# Altium PCB ECG_Ctrl_V1.0_ZM_20211208.PcbDoc (part 1 of 2) (continued)
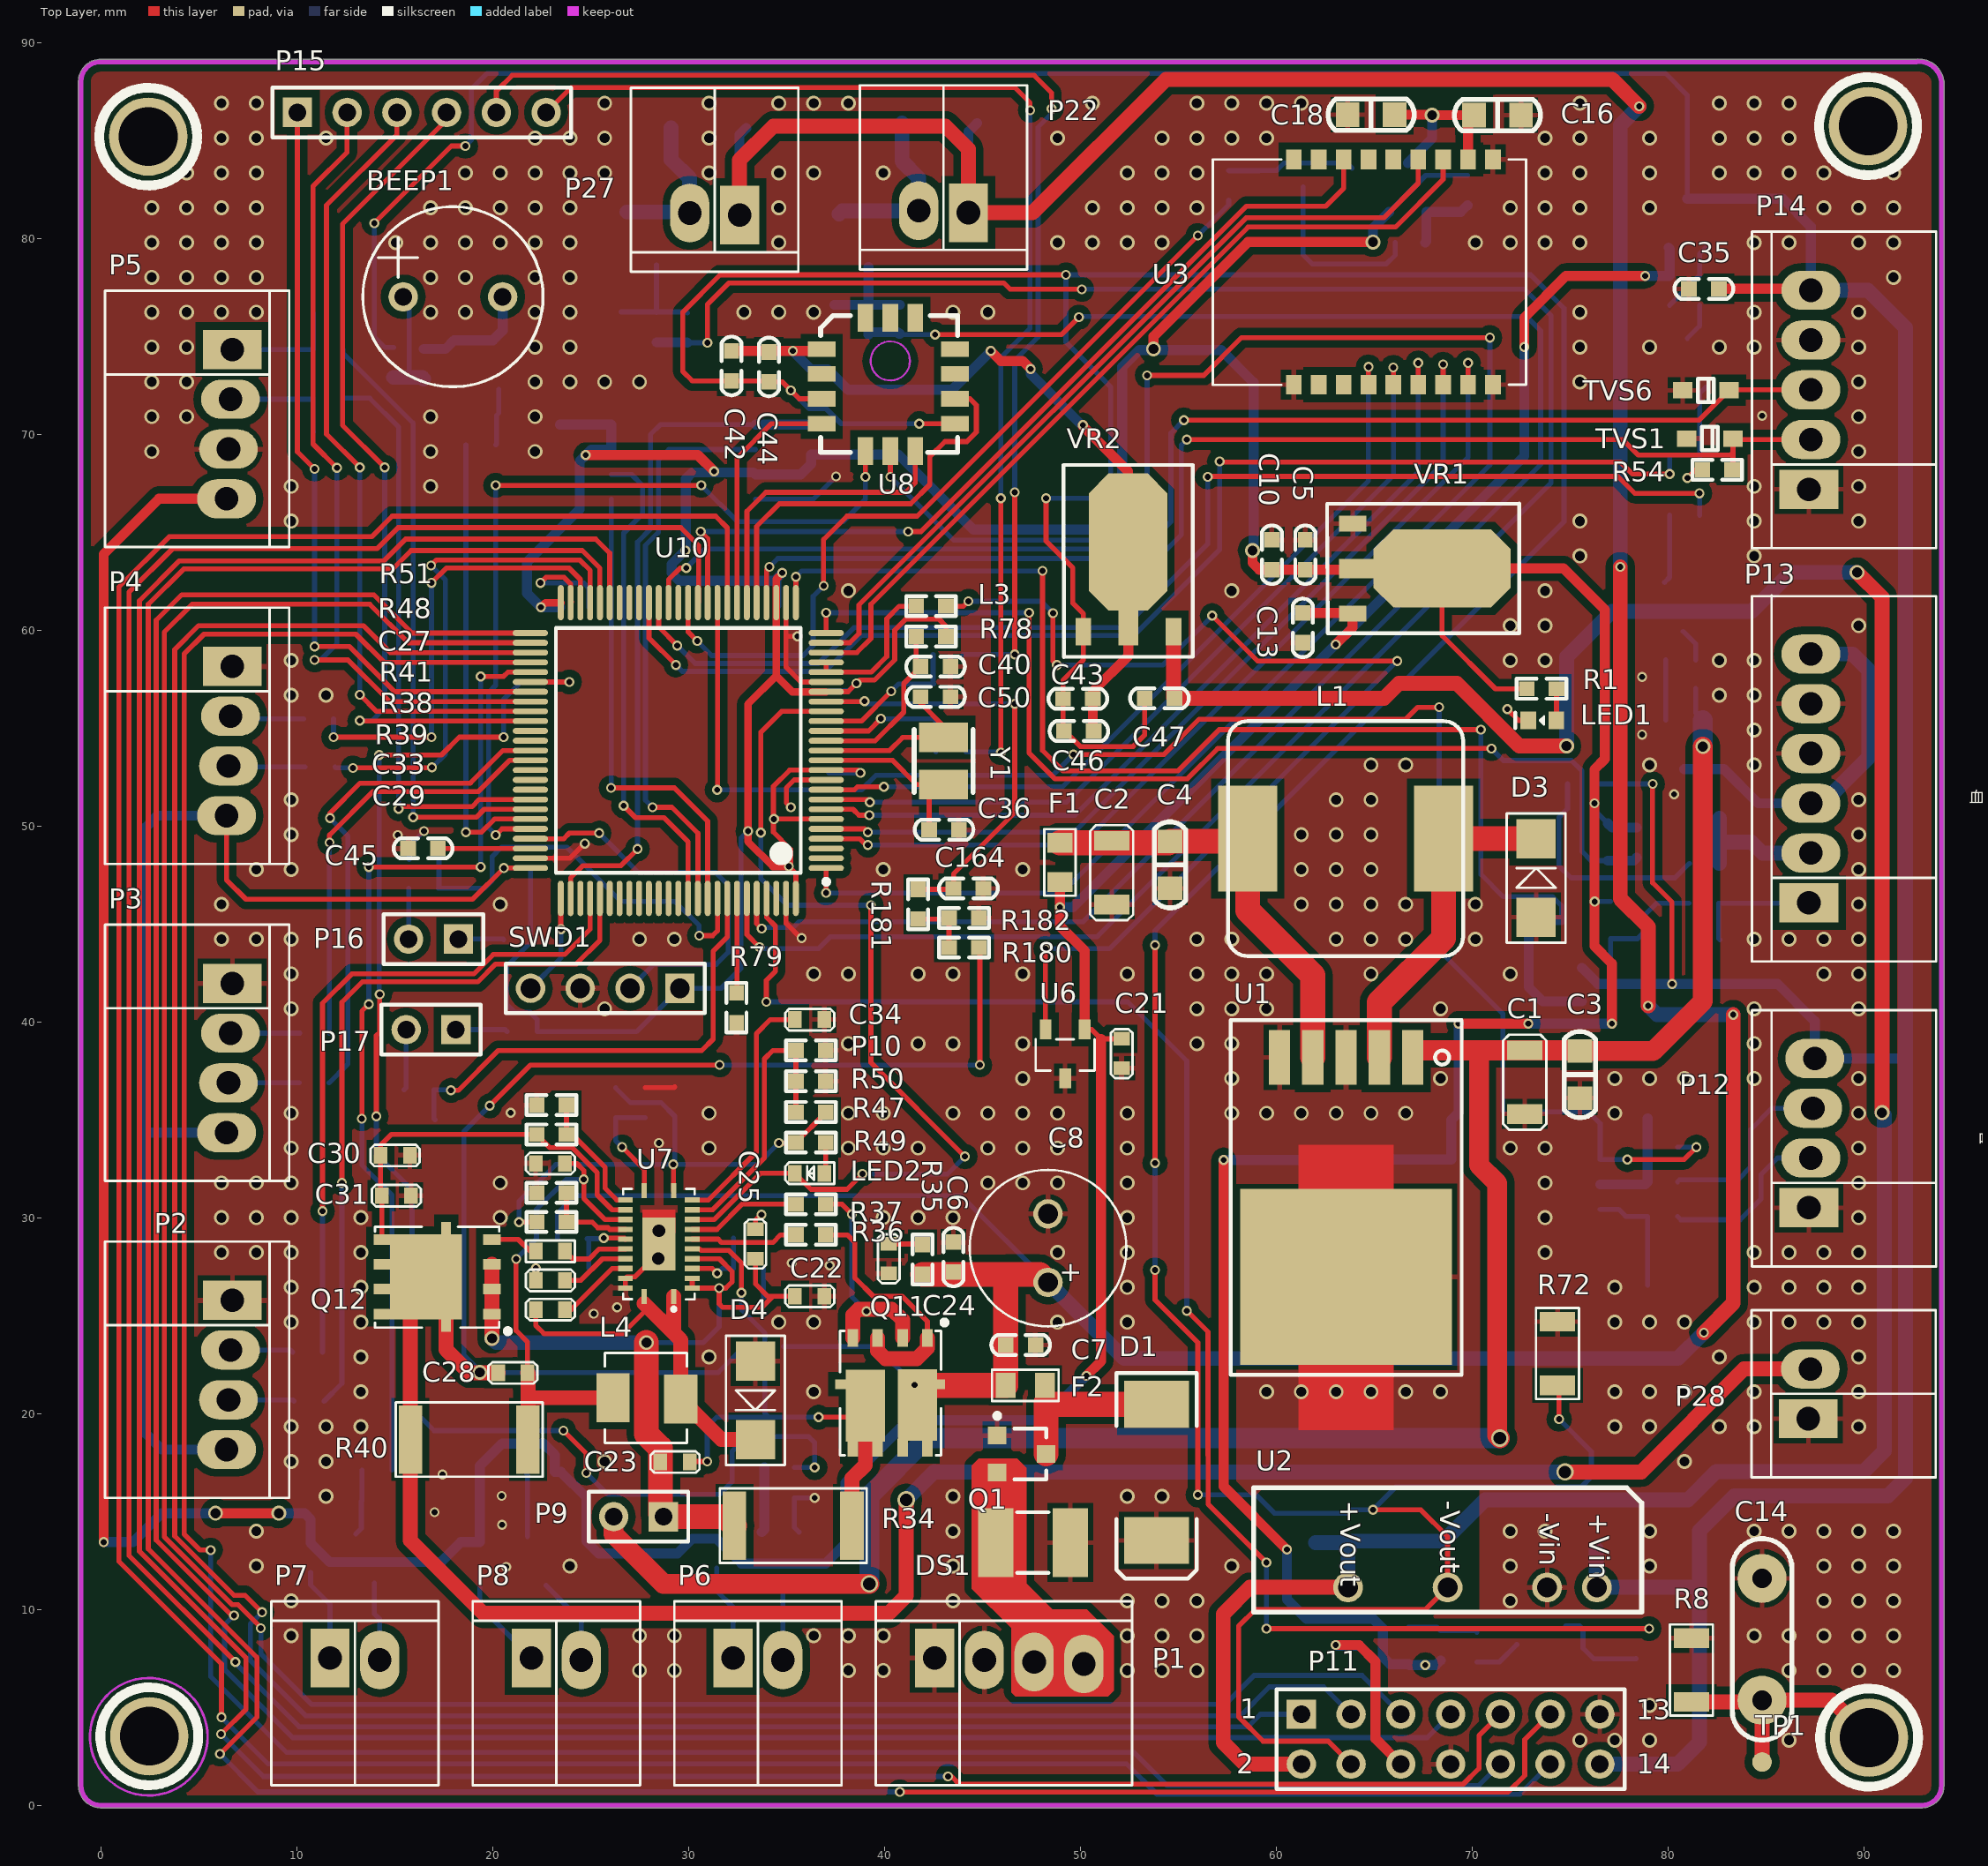
[diagram p0: Top Layer view]
## Components (designator, comment, footprint, x,y, rotation, side; value= is the part's Value field where it differs from the comment) (continued)
TVS3 "ESD5Z5.0CT1G" SOD-523 11.633,70.129 r180 bottom
TVS4 "ESD5Z5.0CT1G" SOD-523 11.633,76.149 r180 bottom
TVS5 "PSD03C-LF-T7" SOD-323 81.458,50.394 r0 bottom
TVS6 "PSD03C-LF-T7" SOD-323 81.94,72.238 r0 top
TVS7 "ESD5Z5.0CT1G" SOD-523 82.525,32.69 r270 bottom
TVS8 "ESD5Z5.0CT1G" SOD-523 82.55,29.134 r270 bottom
TVS41 "ESD5Z5.0CT1G" SOD-523 16.51,48.285 r180 bottom
TVS42 "ESD5Z5.0CT1G" SOD-523 16.307,35.001 r180 bottom
U1 "LM2596S 5.0V" TO-263-5 63.576,38.175 r180 top
U2 "B0505LS-1W" HKSXXXXB-1W 76.378,11.125 r180 top
U3 "E104-BT5010A" E104-BT503 56.769,72.523 r270 top
U5 "W25Q128FVSIG" SO-8W 33.436,70.485 r180 bottom
U6 "REF3033AIDBZR" SOT23-3 50.235,39.609 r90 top
U7 "bq24171" bq24171 28.499,28.651 r180 top
U8 "MMR901XA" MMR901XA 40.31,72.238 r270 top
U9 "OPA2376AID" SOIC-8 72.746,31.064 r180 bottom
U10 "GD32F405VGTx" STM-LQFP100_N 29.489,53.848 r180 top
VR1 "LM1117 3.3V" SOT223 63.908,65.433 r270 top
VR2 "LM1117 3.3V" SOT223 50.165,59.919 r0 top
Y1 "8MHz" XTAL-3225-2 43.028,53.315 r270 top

## Footprints (in the part's own frame and the unit in brackets; to place one, negate y for a bottom-side part, rotate by r counter-clockwise, add the part's x,y. Pads: shape width x height; smd on the part's side, far side on the other; paste and mask are expansions set on the pad)
2X2.54MMw [mm]
  rect 2x3 hole 1.2: 1(0,0)
  oval 2x3 hole 1.2: 2(2.54,-0.1)
  silkscreen extent -3,-6.5 5.54,2.9
2X2.54MMW [mm]
  rect 2x3 hole 1.2: 1(0,0)
  oval 2x3 hole 1.2: 2(2.54,-0.1)
  silkscreen extent -3,-6.5 5.54,2.9
4X2.54MMW [mm]
  rect 2x3 hole 1.2: 1(0,0)
  oval 2x3 hole 1.2: 2(2.54,-0.1) 3(5.08,-0.2) 4(7.62,-0.3)
  silkscreen extent -3,-6.5 10.08,2.9
4X2.54MMw [mm]
  rect 2x3 hole 1.2: 1(0,0)
  oval 2x3 hole 1.2: 2(2.54,-0.1) 3(5.08,-0.2) 4(7.62,-0.3)
  silkscreen extent -3,-6.5 10.08,2.9
5X2.54MMW [mm]
  rect 2x3 hole 1.2: 1(0,0)
  oval 2x3 hole 1.2: 2(2.54,-0.1) 3(5.08,-0.1) 4(7.62,-0.1) 5(10.16,-0.1)
  silkscreen extent -3,-6.5 13.16,2.9
6X2.54MMW [mm]
  rect 2x3 hole 1.2: 1(0,0)
  oval 2x3 hole 1.2: 2(2.54,-0.1) 3(5.08,-0.1) 4(7.62,-0.1) 5(10.16,-0.1) 6(12.7,-0.1)
  silkscreen extent -3,-6.5 15.68,2.9
8*12 [mm]
  round 1.5 hole 1: 1(1.75,0) 2(-1.75,0)
  silkscreen extent -4,-4 4,4
0603C [mm]
  rect 0.7x0.85 smd: 1(0,0) 2(1.5,0)
  silkscreen extent -0.5,-0.55 2,0.55
0603LED [mm]
  rect 0.7x0.85 smd: 1(0,0) 2(1.5,0)
  silkscreen extent -0.5,-0.55 2,0.55
0603r [mm]
  rect 0.7x0.85 smd: 1(0,0) 2(1.5,0)
  silkscreen extent -0.5,-0.55 2,0.55
0603R [mm]
  rect 0.7x0.85 smd: 1(0,0) 2(1.5,0)
  silkscreen extent -0.5,-0.55 2,0.55
0805r [mm]
  rect 1x1.3 smd: 1(0,0) 2(2,0)
  silkscreen extent -0.7,-0.8 2.7,0.8
0805R [mm]
  rect 1x1.3 smd: 1(0,0) 2(2,0)
  silkscreen extent -0.7,-0.8 2.7,0.8
1206C [mm]
  rect 1x1.8 smd: 1(0,0) 2(3.25,0)
  silkscreen extent -0.8,-1.1 4.05,1.1
1206r [mm]
  rect 1x1.8 smd: 1(0,0) 2(3.25,0)
  silkscreen extent -0.7,-1.1 3.95,1.1
2512R [mm]
  rect 1.2x3.5 smd: 1(0,0) 2(6,0)
  silkscreen extent -0.75,-1.9 6.75,1.9
BEEP-9.5X5.5 [mm]
  round 1.5 hole 0.9: 1(-2.54,0) 2(2.54,0)
  silkscreen extent -4.6,-4.6 4.6,4.6
bq24171 [mm]
  rect 0.28x0.75 smd: 1(-0.75,2.678) 12(-0.75,-2.729) 13(0.75,-2.729) 24(0.75,2.678)
  rect 0.75x0.28 smd: 2(-1.702,2.25) 3(-1.704,1.75) 4(-1.704,1.25) 5(-1.704,0.75) 6(-1.704,0.25) 7(-1.704,-0.25) 8(-1.704,-0.75) 9(-1.704,-1.25) 10(-1.704,-1.75) 11(-1.704,-2.25) 14(1.704,-2.25) 15(1.704,-1.75) 16(1.704,-1.25) 17(1.704,-0.75) 18(1.704,-0.25) 19(1.704,0.25) 20(1.704,0.75) 21(1.704,1.25) 22(1.704,1.75) 23(1.704,2.25)
  rect 1.7x2.7 smd: 25(0,0)
  silkscreen extent -1.83,-2.82 1.83,3.38
CDRH-127 [mm]
  rect 3x5.4 smd: 1(-5,0) 2(5,0)
  silkscreen extent -6,-6 6,6, body extent -6,-6 6,6, height 8.2
CY1 [mm]
  round 2.5 hole 1: 1(0,0) 2(6.223,0)
  silkscreen extent -2.03,-1.52 8.25,1.52
DO-214-AC [mm]
  rect 2x2.5 smd: 1(-1.915,0) 2(1.915,0)
  silkscreen extent -2.3,-1.52 2.3,1.5, body extent -2.3,-1.35 2.3,1.35, height 2.4
E104-BT503 [mm]
  rect 1x0.8 smd: 1(0,4.14) 2(0,5.41) 3(0,6.68) 4(0,7.95) 5(0,9.22) 6(0,10.49) 7(0,11.76) 8(0,13.03) 9(0,14.3) 16(-11.5,14.3) 17(-11.5,13.03) 18(-11.5,11.76) 19(-11.5,10.49) 20(-11.5,9.22) 21(-11.5,7.95) 22(-11.5,6.68) 23(-11.5,5.41) 24(-11.5,4.14)
  silkscreen extent -11.5,0 0.01,16
HDR1X2 [mm] "Connector; Header; 2 Position"
  rect 1.5x1.5 hole 0.9: 1(0,0)
  round 1.5 hole 0.9: 2(2.54,0)
  silkscreen extent -1.27,-1.27 3.81,1.27
HDR1X6 [mm] "Connector; Header; 6 Position"
  rect 1.5x1.5 hole 0.9: 1(0,0)
  round 1.5 hole 0.9: 2(2.54,0) 3(5.08,0) 4(7.62,0) 5(10.16,0) 6(12.7,0)
  silkscreen extent -1.27,-1.27 13.97,1.27
HDR2X7 [mm] "Connector; Header; 7x2 Position"
  rect 1.5x1.5 hole 0.9: 1(0,0)
  round 1.5 hole 0.9: 2(0,-2.54) 3(2.54,0) 4(2.54,-2.54) 5(5.08,0) 6(5.08,-2.54) 7(7.62,0) 8(7.62,-2.54) 9(10.16,0) 10(10.16,-2.54) 11(12.7,0) 12(12.7,-2.54) 13(15.24,0) 14(15.24,-2.54)
  silkscreen extent -1.27,-3.81 16.51,1.27
HKSXXXXB-1W [mil]
  round 60 hole 40: 1(0,0) 2(100,0) 4(300,0) 6(500,0)
  silkscreen extent -90,-200 690,50
INDUCTOR_4X4X2 [mm]
  rect 1.7x2.5 smd: 1(0,0) 2(3.45,-0.059)
  silkscreen extent -0.32,-2.35 3.88,2.25
MMR901XA [mm]
  rect 0.8x1.4 smd: 1(-2.105,-3.5) 2(-0.835,-3.5) 3(0.435,-3.5) 4(1.705,-3.5) 8(1.705,3.3) 9(0.435,3.3) 10(-0.835,3.3) 11(-2.105,3.3)
  rect 1.4x0.8 smd: 5(3.1,-1.27) 6(3.1,0) 7(3.1,1.27) 12(-3.7,1.27) 13(-3.7,0) 14(-3.7,-1.27)
  Keep-Out Layer circle w0.1: c-1.5,0 r1
  silkscreen extent -3.81,-3.56 3.18,3.43
"PowerPAK SO-8" [mm]
  rect 0.9x0.54 smd: 1(0.95,-0.67) 2(0.95,-1.94) 3(0.95,-3.21) 4(0.95,-4.48) 5(6.548,-4.48) 6(6.548,-3.21) 7(6.548,-1.94) 8(6.548,-0.67)
  rect 0.5x1.6 smd: 5(3.3,-4.575) 8(3.3,-0.575)
  rect 3.66x2.5 smd: 5(4.325,-3.495)
  rect 3.66x2 smd: 8(4.325,-1.401)
  silkscreen extent 0.03,-5.12 6.93,0.33
Si7998DP [mm]
  rect 0.9x0.54 smd: 1(0.95,-0.67) 2(0.95,-1.94) 3(0.95,-3.21) 4(0.95,-4.48) 5(6.548,-4.48) 6(6.548,-3.21) 7(6.548,-1.94) 8(6.548,-0.67)
  rect 0.5x1.6 smd: 5(3.3,-4.575) 8(3.3,-0.575)
  rect 3.66x2 smd: 5(4.401,-3.836) 8(4.369,-1.168)
  silkscreen extent 0.03,-5.12 6.93,0.33
SIP-4 [mm]
  rect 1.5x1.5 hole 1: 1(-3.81,0)
  round 1.5 hole 1: 2(-1.27,0) 3(1.27,0) 4(3.81,0)
  silkscreen extent -5.08,-1.27 5.08,1.27
SMA [mm]
  rect 2x2 smd: 1(0,0) 2(4,0)
  silkscreen extent -1.3,-1.5 5.3,1.5
SMC [mm] "DO-214-AB/SMC; 2 C-Bend Leads; Body 7.9 x 5.9 mm, inc. leads (LxW)"
  rect 2.4x3.3 smd: 1(-3.475,0) 2(3.475,0)
  silkscreen extent -5.07,-2.05 5.43,2.05
SMD-0603 [mil]
  rect 31.5x30 smd: 1(-30,0) 2(30,0)
  silkscreen extent -50,-20 50,20, body extent -31,-16 32,16, height 18
SMD-0603C [mil]
  rect 31.5x30 smd: 1(-30,0) 2(30,0)
  silkscreen extent -59,-20 59,20, body extent -32,-16 32,16, height 31
SMD-0603D [mm]
  rect 0.8x0.9 smd: 1(-0.7,-0.012) 2(0.73,-0.012)
  silkscreen extent -0.08,-0.41 1.4,0.39, body extent -0.8,-0.39 0.8,0.41, height 0.6
SMD-0805C [mm]
  rect 1.2x1.27 smd: 1(-1.2,0) 2(1.2,0)
  silkscreen extent -2.2,-0.8 2.2,0.8, body extent -1.42,-0.67 1.58,0.73, height 0.93
SMD-1812 [mm]
  rect 1.8x3.5 smd: 1(-1.9,0) 2(1.9,0)
  silkscreen extent -0.8,-1.55 0.8,1.55, body extent -2.4,-1.7 2.4,1.7, height 1.4
SO-8W [mil]
  oval 80x24 smd: 1(0,0) 2(0,-50) 3(0,-100) 4(0,-150) 5(290,-150) 6(290,-100) 7(290,-50) 8(290,0)
  silkscreen extent 55,-155 235,25
SOD-323 [mm]
  rect 1x0.83 smd: 1(-1.18,0) 2(1.18,0)
  silkscreen extent -0.4,-0.6 0.4,0.6, body extent -1.4,-0.68 1.4,0.67, height 0.75
SOD-523 [mil]
  rect 31.5x30 smd: 1(-30,0) 2(30,0)
  silkscreen extent -51,-20 51,20, body extent -31,-16 31,16, height 26
SOIC-8 [mm]
  oval 1.8x0.6 smd: 1(-3.8,1.905) 2(-3.8,0.635) 3(-3.8,-0.635) 4(-3.8,-1.905) 5(3.8,-1.905) 6(3.8,-0.635) 7(3.8,0.635) 8(3.8,1.905)
  silkscreen extent -2.5,-2.64 2.5,2.64, body extent -4.2,-2.69 4.2,2.69, height 2.3
SOT23-3 [mm]
  rect 1x0.6 smd: 1(0,0) 2(0,2) 3(-2.5,1)
  silkscreen extent -2.1,-0.5 -0.5,2.5
SOT223 [mm]
  rect 0.8x1.4 smd: 1(0,0) 3(4.6,0)
  rect 1x1.854 smd: 2(2.3,0.227)
  oct 4x7 smd: 4(2.286,4.572)
  silkscreen extent -1.02,-1.3 5.59,8.51
SOT-23 [mm] "SOT-23; 3 Leads; Body 3.0 x 2.6 mm, inc. leads (LxW max)"
  rect 0.9x0.95 smd: 1(-0.95,-1.25) 2(0.95,-1.25) 3(0,1.25)
  silkscreen extent -2.07,-1.37 1.3,1.25
SOT-89-3 [mm]
  rect 0.6x1.4 smd: 1(-1.5,-1.8) 3(1.5,-1.8)
  rect 0.6x2 smd: 2(0,-1.524)
  oct 1.9x3.2 smd: 2(0,0.9)
  silkscreen extent -2.48,-2.07 2.3,1.3, body extent -2.25,-2.1 2.25,2.2, height 1.51
STM-LQFP100_N [mm] "Thin QFP, 100-Leads, Body 14x14mm, Pitch 0.5mm, IPC Medium Density"
  oval 1.8x0.3 smd: 1(-7.55,6) 2(-7.55,5.5) 3(-7.55,5) 4(-7.55,4.5) 5(-7.55,4) 6(-7.55,3.5) 7(-7.55,3) 8(-7.55,2.5) 9(-7.55,2) 10(-7.55,1.5) 11(-7.55,1) 12(-7.55,0.5) 13(-7.55,0) 14(-7.55,-0.5) 15(-7.55,-1) 16(-7.55,-1.5) 17(-7.55,-2) 18(-7.55,-2.5) 19(-7.55,-3) 20(-7.55,-3.5) 21(-7.55,-4) 22(-7.55,-4.5) 23(-7.55,-5) 24(-7.55,-5.5) 25(-7.55,-6) 51(7.55,-6) 52(7.55,-5.5) 53(7.55,-5) 54(7.55,-4.5) 55(7.55,-4) 56(7.55,-3.5) 57(7.55,-3) 58(7.55,-2.5) 59(7.55,-2) 60(7.55,-1.5) 61(7.55,-1) 62(7.55,-0.5) 63(7.55,0) 64(7.55,0.5) 65(7.55,1) 66(7.55,1.5) 67(7.55,2) 68(7.55,2.5) 69(7.55,3) 70(7.55,3.5) 71(7.55,4) 72(7.55,4.5) 73(7.55,5) 74(7.55,5.5) 75(7.55,6)
  oval 0.3x1.8 smd: 26(-6,-7.55) 27(-5.5,-7.55) 28(-5,-7.55) 29(-4.5,-7.55) 30(-4,-7.55) 31(-3.5,-7.55) 32(-3,-7.55) 33(-2.5,-7.55) 34(-2,-7.55) 35(-1.5,-7.55) 36(-1,-7.55) 37(-0.5,-7.55) 38(0,-7.55) 39(0.5,-7.55) 40(1,-7.55) 41(1.5,-7.55) 42(2,-7.55) 43(2.5,-7.55) 44(3,-7.55) 45(3.5,-7.55) 46(4,-7.55) 47(4.5,-7.55) 48(5,-7.55) 49(5.5,-7.55) 50(6,-7.55) 76(6,7.55) 77(5.5,7.55) 78(5,7.55) 79(4.5,7.55) 80(4,7.55) 81(3.5,7.55) 82(3,7.55) 83(2.5,7.55) 84(2,7.55) 85(1.5,7.55) 86(1,7.55) 87(0.5,7.55) 88(0,7.55) 89(-0.5,7.55) 90(-1,7.55) 91(-1.5,7.55) 92(-2,7.55) 93(-2.5,7.55) 94(-3,7.55) 95(-3.5,7.55) 96(-4,7.55) 97(-4.5,7.55) 98(-5,7.55) 99(-5.5,7.55) 100(-6,7.55)
  silkscreen extent -7.68,-6.25 6.25,6.82, body extent -7,-7 7,7, height 1.6
TO-263-5 [mm]
  rect 1.1x2.8 smd: 1(-3.4,0) 2(-1.7,0) 3(0,0) 4(1.7,0) 5(3.4,0)
  rect 10.8x9 smd: 6(0,11.2)
  silkscreen extent -5.9,-1.9 5.9,16.2, body extent -5.08,-0.32 5.08,14.32, height 4.57
tpd [mm]
  round 1 smd: 1(0,0)
XTAL-3225-2 [mm]
  rect 1.5x2.5 smd: 1(-1.2,0) 2(1.2,0)
  silkscreen extent -1.6,-1.5 1.6,1.5, body extent -1.6,-1.25 1.6,1.25, height 0.9

## Part data
C1 C2 C8: library part CAP2, "电解电容"
C3 C4 C10 C13 C37 C38 C41 C42 C46 C47: library part CAP4, "贴片电容 10%"
C5 C6 C7 C11 C16 C17 C18 C35 C39 C40 C43 C44 C45 C51 C52 C55 C56 C57 C165 C166 NC: library part CAP4, "贴片电容 20%"
C9 C12 C14 C21 C22 C23 C24 C25 C26 C27 C28 C29 C30 C31 C32 C33 C34: library part CAP, "Capacitor"
C19 C20 C36 C50 C164: library part CAP4, "贴片电容 5%"
D1: library part D_ESD
D3 D4: library part DIODE
D7 D8: library part DIODE2, "二极管 M7"
DS1: library part DISCHARE-1, "气体放电管 90V"
F1: library part Inductor, "Inductor"
F2: library part "Fuse 1", "Fuse"
L1 L4: library part IND
L3: library part CIZHU1, "磁珠电感 100R 100MHz"
LED1: library part LED0, "LED 3528 蓝"
LED2: library part LED
NC R9 R10 R11 R12 R19 R20 R21 R22 R34 R35 R36 R37 R38 R39 R40 R41 R42 R43 R44 R45 R46 R47 R48 R49 R50 R51 R78 R79 R180 R181 R182: library part RES2, "贴片电阻 5%"
P1 P12: library part SIP-4
P2 P3 P4 P5: library part HDR1*4
P6 P7 P8 P9 P16 P17 P28: "Header, 2-Pin"
P10: library part RES3, "卧贴"
P11: "Header, 7-Pin, Dual row"
P13: library part SIP-6, "血压计接口"
P14: library part SIP-5, "心音传感器接口"
P15: "Header, 6-Pin"
P22 P27: library part SIP-2, "2.54mm- 2P立贴"
Q1 Q2 Q4 Q6 Q18: library part "MOSFET P", "MOSFET P"
Q3 Q5 Q7 Q8 Q9 Q10 Q13 Q14 Q15 Q19: library part NPN-1, "NPN"
Q11: library part SI7940DP
Q12: library part SI7135DP
Q16 Q17: library part NPN-TO252, "NPN TO252"
R1 R2 R3 R4 R5 R6 R7 R13 R14 R15 R16 R17 R18 R68 R69 R70 R71 R183 R184 R185 R186: library part R, "贴片电阻 5%"
R8 R72: library part RES
R23 R24 R52 R53 R54 R55 R60 R61 R62 R63 R64 R65 R66 R67: library part R, "贴片电阻 1%"
R25 R26 R27 R28 R29 R30 R31 R32 R33 R56 R57 R58 R59: library part RES0, "贴片电阻 5%"
R187 R188 R189 R190: library part RES-SOP, "贴片电阻 5%"
SWD1: library part SIP-4, "ISP 下载"
TVS1 TVS2 TVS5 TVS6: library part TVS-S, "单向TVS"
TVS3 TVS4: library part TVS-1, "TVS"
TVS7 TVS8 TVS41 TVS42: library part TVS-1, "ESD二极管"
U1: library part LM2596
U2: library part B0505S
U3: library part E104-BT503, "E104-BT503"
U5: library part W25Q128FV
U6: library part REF3012
U8: library part MMR901, "压力传感器"
U9: library part LM358, "运放"
U10: library part STM32F405VGTx
VR1 VR2: library part LM1117, "三端稳压器"
Y1: library part XTAL, "3225 贴片晶振"

## Free pads (board coordinates)
  round 4 hole 3: 0(2.433,85.192) 0(2.484,3.525) 0(90.221,85.725) 0(90.272,3.454)

## Via types
v1: diameter 0.762, hole 0.508, Top Layer to Bottom Layer, tented both sides, 445 vias
v2: diameter 0.508, hole 0.305, Top Layer to Bottom Layer, tented both sides, 222 vias
v3: diameter 0.889, hole 0.635, Top Layer to Bottom Layer, tented both sides, 4 vias
v4: diameter 1.016, hole 0.635, Top Layer to Bottom Layer, tented both sides, 2 vias

## Nets (pads, with @x,y where several pads share a name; then routed paths per layer and width w, separated by ;. In a path a pad name is that pad's centre, name@x,y a point inside that pad or via, vN(x,y) a via of type N, cw(c..) or ccw(c..) an arc to the next point about the centre after c; other vN are vias at no path point)
ADC_SPO: P11.12 U10.33 | length 166.6
  Top Layer w0.254: v2(6.172,4.496) 6.172,7.214 0.94,12.446 0.94,62.205 3.505,64.77 13.843,64.77 14.884,65.811 31.394,65.811 31.989,65.216 U10.33@31.989,61.398
  Bottom Layer w0.254: v2(6.172,4.496) 8.56,2.108 52.375,2.108 53.924,0.559 72.441,0.559 P11.12@73.991,2.108
ADS129X_CS: P11.7 U10.51 | length 140.4
  Top Layer w0.254: v2(6.807,9.695) 6.688,9.695 2.84,13.543 2.84,60.498 4.14,61.798 13.945,61.798 15.895,59.848 U10.51@21.939,59.848
  Bottom Layer w0.254: v2(6.807,9.695) 6.325,9.213 6.325,6.934 9.804,3.454 67.717,3.454 P11.7@68.911,4.648
ADS129X_CS2: P11.9 U10.45 | length 157.6
  Top Layer w0.254: v2(6.147,3.632) 7.417,4.902 7.417,7.536 1.981,12.972 1.981,61.493 4.013,63.525 14.453,63.525 15.57,64.643 25.273,64.643 25.989,63.927 U10.45@25.989,61.398 ; v2(43.256,1.473) 43.434,1.473 43.828,1.079 69.557,1.079 70.358,1.88 70.358,3.555 P11.9@71.451,4.648
  Bottom Layer w0.254: v2(6.147,3.632) 8.306,1.473 v2(43.256,1.473)
ADS129X_DIN: P11.10 U10.54 | length 140.4
  Top Layer w0.254: v2(5.613,13.03) 5.077,13.03 4.267,13.84 4.267,58.78 5.279,59.792 13.03,59.792 14.474,58.348 U10.54@21.939,58.348
  Bottom Layer w0.254: v2(5.613,13.03) 5.613,6.579 9.5,2.692 52.756,2.692 54.432,1.016 70.359,1.016 P11.10@71.451,2.108
ADS129X_DOUT: P11.3 U10.53 | length 131.8
  Top Layer w0.254: v2(8.237,9.855) 7.378,10.714 6.818,10.714 3.785,13.748 3.785,59.004 5.004,60.223 13.411,60.223 14.787,58.848 U10.53@21.939,58.848
  Bottom Layer w0.254: v2(8.237,9.855) 7.645,9.263 7.645,7.391 10.465,4.572 58.191,4.572 59.665,6.045 62.434,6.045 P11.3@63.831,4.648
ADS129X_DRDY: P11.1 U10.36 | length 146.7
  Top Layer w0.254: v2(6.883,7.315) 1.448,12.751 1.448,61.927 3.681,64.16 14.122,64.16 15.189,65.227 29.616,65.227 30.531,64.313 30.531,61.439 U10.36@30.489,61.398
  Bottom Layer w0.254: v2(6.883,7.315) 6.858,7.29 10.135,4.013 58.572,4.013 59.207,4.648 P11.1@61.291,4.648
ADS129X_DRDY2: P11.11 U10.46 | length 159.5
  Top Layer w0.254: v2(6.096,2.616) 7.976,4.496 7.976,7.552 2.433,13.094 2.433,61.31 4.242,63.119 14.91,63.119 15.85,64.059 24.587,64.059 25.489,63.157 U10.46@25.489,61.398 ; v2(40.792,0.686) 40.806,0.672 71.843,0.672 72.695,1.524 72.695,3.352 P11.11@73.991,4.648
  Bottom Layer w0.254: v2(6.096,2.616) 8.026,0.686 v2(40.792,0.686)
ADS129X_SCLK: P11.5 U10.52 | length 135.2
  Top Layer w0.254: v2(8.179,9.042) 8.179,9.078 7.02,10.236 6.722,10.236 3.246,13.712 3.246,59.888 4.674,61.316 13.741,61.316 15.709,59.348 U10.52@21.939,59.348 U10.52@21.926,59.334
  Bottom Layer w0.254: v2(8.179,9.042) 8.179,7.747 10.77,5.156 57.404,5.156 58.877,6.629 64.39,6.629 P11.5@66.371,4.648
AV3.3: C42.2 C43.2 C44.2 C46.2 U8.1 VR2.2 VR2.4 | length 35.8
  Top Layer w0.508: C42.2@32.207,74.244 v2(35.331,74.244) 36.711,74.244 U8.1@36.81,74.343 ; v2(45.441,74.244) 45.949,73.736 47.066,73.736 v2(47.473,73.33) ; v2(50.139,70.46) 50.139,70.409 52.451,68.097 VR2.4@52.451,64.491 ; C46.2@50.698,54.839 50.648,54.889 C43.2@50.648,56.49 50.648,56.871 52.465,58.688 VR2.2@52.465,60.146
  Bottom Layer w0.508: v2(35.331,74.244) 36.258,73.318 37.102,73.318 38.151,72.269 43.465,72.269 v2(45.441,74.244) ; v2(47.473,73.33) 47.473,73.076 v2@50.114,70.435
AVDD: C11.2 C12.1 C47.2 P11.2 U2.6 VR2.3 | length 142.9
  Top Layer w0.762: VR2.3@54.765,59.919 54.765,56.563 C47.2@54.813,56.515 65.52,56.515 66.275,57.27 69.222,57.27 72.415,54.077 v1(74.828,54.077) ; P11.2@61.291,2.108 58.395,2.108 57.302,3.2 57.302,9.754 58.674,11.125 U2.6@63.678,11.125 ; v1(89.662,62.941) 90.932,61.671 v1(90.932,35.357)
  Bottom Layer w0.762: C12.1@62.027,13.411 C11.2@63.703,13.411 ; U2.6@63.678,11.125 63.678,13.386 C11.2@63.703,13.411 ; v1(74.828,54.077) 74.828,58.623 77.147,60.942 84.284,60.942 86.284,62.941 v1(89.662,62.941) ; v1(90.932,35.357) 91.059,35.23 91.059,18.085 90.018,17.043 82.474,17.043 81.026,15.596 70.663,15.596 68.555,13.487 C11.2@63.779,13.487 C11.2@63.703,13.411
AVSS: C11.1 C12.2 C42.1 C43.1 C44.1 C46.1 C47.1 P11.4 R72.1 U2.4 U8.3 U8.8 VR2.1 | length 227.6
  Top Layer w0.254: U8.3@36.81,71.803 35.665,71.803 v2(35.231,72.236) 34.798,72.669 C44.1@34.112,72.669 34.061,72.72 C42.1@32.207,72.72 30.201,72.72 29.718,73.203 29.718,76.225 31.623,78.13 v2(49.276,78.13) ; v2(41.783,70.533) U8.8@43.61,70.533 ; v2(48.26,66.726) 48.26,64.541 49.632,63.17 49.632,61.366 50.165,60.833 VR2.1@50.165,59.919 50.165,58.471 49.124,57.429 C43.1@49.124,56.49 49.124,54.889 C46.1@49.174,54.839 49.218,54.839 50.005,54.051 52.705,54.051 53.289,54.635 C47.1@53.289,56.515 ; v2(53.823,27.33) 53.823,25.806 56.007,23.622 v2(56.007,15.85) ; v2(53.823,32.788) v2(53.823,43.917) ; P11.4@63.831,2.108 62.662,3.277 59.334,3.277 58.09,4.521 58.09,9.144 58.928,9.982 67.615,9.982 U2.4@68.758,11.125 68.758,13.716 67.386,15.088 v2(64.948,15.088) ; R72.1@74.371,21.438 74.447,21.361 v2(74.447,19.71)
  Bottom Layer w0.254: v2(35.231,72.236) 36.17,71.298 37.033,71.298 37.798,70.533 v2(41.783,70.533) ; v2(48.26,66.726) 50.521,66.726 51.562,67.767 51.562,72.415 49.276,74.701 v2(49.276,78.13) 73,78.13 74.701,76.429 74.701,65.532 53.823,44.653 v2(53.823,43.917) ; v2(53.823,27.33) v2(53.823,32.788) ; v2(56.007,15.85) 58.979,15.85 59.917,14.911 C12.2@62.027,14.911 63.679,14.911 C11.1@63.779,15.011 63.856,15.088 v2(64.948,15.088) 66.116,16.256 75.59,16.256 76.098,16.764 76.098,18.059 v2(74.447,19.71)
BDATA: U3.8 U10.4 | length 47
  Top Layer w0.254: U10.4@37.039,49.348 38.747,49.348 39.073,49.022 v2(39.167,49.022) ; U3.8@69.799,72.523 v2(69.799,73.635)
  Bottom Layer w0.254: v2(39.167,49.022) 50.013,49.022 69.799,68.809 v2(69.799,73.635)
BDISC: U3.6 U10.7 | length 44.3
  Top Layer w0.254: U10.7@37.039,50.848 38.408,50.848 38.71,50.546 v2(39.243,50.546) ; U3.6@67.259,72.523 v2(67.259,73.635)
  Bottom Layer w0.254: v2(39.243,50.546) 49.733,50.546 67.259,68.072 v2(67.259,73.635)
BLE_EN_3.3V: R70.1 U10.37 | length 42.2
  Top Layer w0.254: U10.37@29.989,61.398 29.989,59.901 v2(30.455,59.436) ; v2(36.906,62.255) 36.906,64.618 38.1,65.811 41.681,65.811 v2(56.007,80.137)
  Bottom Layer w0.254: v2(30.455,59.436) 31.191,58.699 35.865,58.699 36.373,59.207 36.373,61.722 v2(36.906,62.255) ; v2(56.007,80.137) 57.582,81.712 R70.1@57.582,81.94
BLINK: U3.7 U10.5 | length 45.4
  Top Layer w0.254: U10.5@37.039,49.848 39.001,49.848 v2(39.167,49.682) ; U3.7@68.529,72.523 v2(68.529,73.558)
  Bottom Layer w0.254: v2(39.167,49.682) 49.708,49.682 68.529,68.504 v2(68.529,73.558)
BMOD: U3.4 U10.9 | length 40.9
  Top Layer w0.254: U10.9@37.039,51.848 38.481,51.848 38.627,51.994 v2(39.98,51.994) ; U3.4@64.719,72.523 v2(64.719,73.431)
  Bottom Layer w0.254: v2(39.98,51.994) 49.098,51.994 64.719,67.615 v2(64.719,73.431)
BREATH+: P12.2 R65.1 TVS8.1 | length 8.9
  Bottom Layer w0.254: R65.1@80.493,30.069 80.665,29.896 TVS8.1@82.55,29.896 83.693,29.896 84.76,30.963 84.76,32.207 85.598,33.045 P12.2@87.3,33.045
BREATH-: P12.3 R63.1 TVS7.2 | length 9.6
  Bottom Layer w0.254: R63.1@80.493,31.831 80.589,31.928 TVS7.2@82.525,31.928 83.566,31.928 84.226,32.588 84.226,34.496 85.316,35.585 P12.3@87.4,35.585
BREATH_OUT: C38.2 R64.2 U10.34 | length 70.2
  Top Layer w0.254: v2(31.471,51.841) 31.489,51.86 U10.34@31.489,61.398 ; v2(49.657,53.645) 54.28,53.645 56.083,55.448 66.624,55.448 67.234,56.058 v2(68.326,56.058) v2@68.326,56.083
  Bottom Layer w0.254: v2(31.471,51.841) 38.837,51.841 39.573,52.578 48.59,52.578 v2(49.657,53.645) ; v2(68.326,56.058) 68.326,43.612 68.377,43.612 71.577,40.411 C38.2@71.577,37.338 71.577,35.458 R64.2@71.628,35.408
BRST: U3.22 U10.35 | length 45.3
  Top Layer w0.254: v2(30.632,65.024) 30.989,64.667 U10.35@30.989,61.398 ; v2(41.224,65.024) 41.878,65.024 58.49,81.636 62.535,81.636 63.449,82.55 U3.22@63.449,84.023
  Bottom Layer w0.254: v2(30.632,65.024) v2(41.224,65.024)
BRXD: U3.19 U10.24 | length 42
  Top Layer w0.254: U10.24@37.039,59.348 38.241,59.348 38.71,59.817 38.71,61.281 58.48,81.051 65.507,81.051 67.259,82.803 U3.19@67.259,84.023
BTXD: U3.18 U10.23 | length 43.5
  Top Layer w0.254: U10.23@37.039,58.848 38.604,58.848 39.319,59.563 39.319,61.316 58.572,80.569 66.091,80.569 68.529,83.007 U3.18@68.529,84.023
BWKP: U3.5 U10.8 | length 42.3
  Top Layer w0.254: U10.8@37.039,51.348 39.127,51.348 v2(39.268,51.206) ; U3.5@65.989,72.523 v2(65.989,73.406)
  Bottom Layer w0.254: v2(39.268,51.206) 49.301,51.206 65.989,67.894 v2(65.989,73.406)
EARTH: C14.1 pad.0@90.272,3.454 R8.2 TP1.1 | length 13
  Top Layer w0.762: R8.2@81.204,5.283 84.734,5.283 C14.1@84.811,5.359 ; TP1.1@84.811,2.21 C14.1@84.811,5.359 ; pad.0@90.272,3.454 88.367,5.359 C14.1@84.811,5.359
GND: C1.2 C2.2 C3.1 C4.1 C5.1 C6.1 C7.1 C8.2 C9.2 C10.1 C13.1 C14.2 C16.1 C17.1 C18.1 C19.2 C20.2 C21.2 C22.2 C24.2 C25.2 C26.2 C27.1 C30.2 C31.2 C32.2 C33.1 C34.2 C35.1 C36.2 C37.2 C38.1 C39.1 C40.1 C41.1 C45.1 C50.2 C51.1 C52.1 C55.1 C56.1 C57.1 C164.2 D1.2 D3.1 D4.1 DS1.2 LED1.2 NC.2@23.444,68.961 P1.1 P1.2 P2.1 P3.1 P4.1 P5.3 P10.2 P11.8 P11.13 P12.1 P13.4 P13.5 P14.1 P14.4 P28.1 Q1.1 Q3.2 Q5.2 Q7.2 Q8.2 Q9.2 Q10.2 Q14.2 Q16.3 Q17.3 Q19.2 R5.1 R8.1 R14.1 R18.1 R31.2 R32.2 R33.2 R41.1 R44.1 R46.1 R50.1 R51.2 R54.1 R59.2 R66.1 R71.1 R72.2 R79.1 R182.2 R189.2 R190.2 SWD1.3 TVS1.1 TVS2.1 TVS3.1 TVS4.1 TVS5.1 TVS6.1 TVS7.1 TVS8.2 TVS41.2 TVS42.2 U1.3 U1.5 U1.6 U2.2 U3.1 U3.9 U3.16 U5.4 U6.3 U7.22 U7.23 U7.25 U9.4 U10.10 U10.20 U10.27 U10.74 U10.99 VR1.1 | length 32.7
  Top Layer w0.254: U10.74@21.939,48.348 23.964,48.348 v2(24.714,49.098) ; C33.1@22.211,26.795 v2(22.211,27.42) ; U7.23@26.795,26.401 U7.22@26.795,26.901 26.875,26.982 27.285,26.982 28.499,28.195 U7.25@28.499,28.651 ; 27.795,36.631 29.265,36.631 29.309,36.675 ; C25.2@33.424,29.401 33.424,29.868 33.706,30.15 v2(33.731,30.15) ; U10.99@34.989,46.298 34.989,45.021 35.738,44.272 v2(35.789,44.272) ; U10.27@34.989,61.398 34.989,59.673 ; v2(35.23,50.952) 35.001,51.181 35.001,51.943 35.406,52.348 U10.10@37.039,52.348 ; v2(35.568,59.673) 34.989,59.673 ; U10.20@37.039,57.348 35.743,57.348 34.989,58.102 34.989,59.673 ; v2(71.806,55.956) 72.378,55.384 LED1.2@72.879,55.384 ; v2(81.001,67.767) 81.407,68.174 R54.1@81.763,68.174
  Bottom Layer w0.254: TVS41.2@15.748,48.285 15.748,48.971 v2(16.51,49.733) ; U5.4@33.436,66.675 36.373,66.675 v2(37.541,67.843) ; Q8.2@35.646,13.95 35.408,14.189 R31.2@35.408,15.697 v2(36.449,15.697)
  other v1: 75.514,3.327 77.292,3.327 79.07,3.327 86.182,3.327 79.07,5.105 27.508,6.883 29.286,6.883 38.176,6.883 39.954,6.883 52.4,6.883 54.178,6.883 55.956,6.883 86.182,6.883 87.96,6.883 89.738,6.883 91.516,6.883 9.728,8.661 27.508,8.661 29.286,8.661 36.398,8.661 38.176,8.661 39.954,8.661 52.4,8.661 54.178,8.661 55.956,8.661 84.404,8.661 86.182,8.661 87.96,8.661 89.738,8.661 91.516,8.661 9.728,10.439 43.51,10.439 52.4,10.439 54.178,10.439 55.956,10.439 71.958,10.439 87.96,10.439 89.738,10.439 91.516,10.439 7.95,12.217 23.952,12.217 43.51,12.217 57.734,12.217 71.958,12.217 79.07,12.217 87.96,12.217 89.738,12.217 91.516,12.217 7.95,13.995 43.51,13.995 71.958,13.995 73.736,13.995 79.07,13.995 84.404,13.995 86.182,13.995 87.96,13.995 89.738,13.995 91.516,13.995 11.506,15.773 43.51,15.773 52.4,15.773 54.178,15.773 9.728,17.551 11.506,17.551 25.73,17.551 80.848,17.551 9.728,19.329 11.506,19.329 13.284,19.329 77.292,19.329 79.07,19.329 82.626,19.329 84.404,19.329 89.738,19.329 13.284,21.107 36.398,21.107 59.512,21.107 61.29,21.107 63.068,21.107 64.846,21.107 66.624,21.107 68.402,21.107 77.292,21.107 79.07,21.107 80.848,21.107 84.404,21.107 89.738,21.107 13.284,22.885 31.064,22.885 82.626,22.885 89.738,22.885 9.728,24.663 13.284,24.663 34.62,24.663 36.398,24.663 48.844,24.663 52.4,24.663 77.292,24.663 79.07,24.663 80.848,24.663 84.404,24.663 86.182,24.663 87.96,24.663 89.738,24.663 9.728,26.441 13.284,26.441 52.4,26.441 77.292,26.441 84.404,26.441 86.182,26.441 87.96,26.441 89.738,26.441 6.172,28.219 7.95,28.219 9.728,28.219 13.284,28.219 48.844,28.219 52.4,28.219 73.736,28.219 84.404,28.219 86.182,28.219 87.96,28.219 89.738,28.219 6.172,29.997 7.95,29.997 9.728,29.997 13.284,29.997 20.396,29.997 39.954,29.997 41.732,29.997 43.51,29.997 52.4,29.997 73.736,29.997 89.738,29.997 6.172,31.775 7.95,31.775 9.728,31.775 20.396,31.775 45.288,31.775 47.066,31.775 48.844,31.775 52.4,31.775 73.736,31.775 89.738,31.775 9.728,33.553 31.064,33.553 38.176,33.553 39.954,33.553 41.732,33.553 45.288,33.553 47.066,33.553 48.844,33.553 52.4,33.553 71.958,33.553 73.736,33.553 89.738,33.553 9.728,35.331 31.064,35.331 38.176,35.331 39.954,35.331 43.51,35.331 45.288,35.331 47.066,35.331 48.844,35.331 52.4,35.331 57.734,35.331 59.512,35.331 61.29,35.331 63.068,35.331 64.846,35.331 66.624,35.331 77.292,35.331 89.738,35.331 47.066,37.109 57.734,37.109 68.402,37.109 77.292,37.109 79.07,37.109 80.848,37.109 84.404,37.109 89.738,37.109 38.176,38.887 41.732,38.887 43.51,38.887 47.066,38.887 55.956,38.887 57.734,38.887 84.404,38.887 9.728,40.665 25.73,40.665 55.956,40.665 57.734,40.665 59.512,40.665 68.402,40.665 84.404,40.665 89.738,40.665 9.728,42.443 36.398,42.443 38.176,42.443 41.732,42.443 43.51,42.443 47.066,42.443 52.4,42.443 55.956,42.443 57.734,42.443 59.512,42.443 64.846,42.443 71.958,42.443 87.96,42.443 89.738,42.443 6.172,44.221 7.95,44.221 9.728,44.221 27.508,44.221 29.286,44.221 55.956,44.221 57.734,44.221 63.068,44.221 64.846,44.221 66.624,44.221 70.18,44.221 84.404,44.221 86.182,44.221 87.96,44.221 89.738,44.221 6.172,45.999 20.396,45.999 61.29,45.999 63.068,45.999 64.846,45.999 66.624,45.999 70.18,45.999 89.738,45.999 7.95,47.777 9.728,47.777 39.954,47.777 47.066,47.777 61.29,47.777 63.068,47.777 64.846,47.777 89.738,47.777 9.728,49.555 61.29,49.555 63.068,49.555 64.846,49.555 89.738,49.555 9.728,51.333 63.068,51.333 64.846,51.333 89.738,51.333 64.846,53.111 66.624,53.111 79.07,53.111 84.404,53.111 84.404,54.889 9.728,56.667 11.506,56.667 82.626,56.667 84.404,56.667 9.728,58.445 71.958,58.445 73.736,58.445 82.626,58.445 84.404,58.445 71.958,60.223 73.736,60.223 89.738,60.223 38.176,62.001 57.734,62.001 73.736,62.001 75.514,63.779 84.404,63.779 9.728,65.557 75.514,65.557 84.404,65.557 89.738,65.557 9.728,67.335 16.84,67.335 84.404,67.335 89.738,67.335 2.616,69.113 16.84,69.113 22.174,69.113 89.738,69.113 2.616,70.891 4.394,70.891 16.84,70.891 22.174,70.891 89.738,70.891 2.616,72.669 4.394,72.669 22.174,72.669 23.952,72.669 25.73,72.669 27.508,72.669 75.514,72.669 89.738,72.669 2.616,74.447 4.394,74.447 22.174,74.447 23.952,74.447 75.514,74.447 79.07,74.447 82.626,74.447 84.404,74.447 89.738,74.447 2.616,76.225 4.394,76.225 6.172,76.225 7.95,76.225 16.84,76.225 18.618,76.225 22.174,76.225 23.952,76.225 32.842,76.225 34.62,76.225 36.398,76.225 43.51,76.225 45.288,76.225 75.514,76.225 84.404,76.225 89.738,76.225 2.616,78.003 4.394,78.003 6.172,78.003 7.95,78.003 16.84,78.003 18.618,78.003 22.174,78.003 23.952,78.003 91.516,78.003 2.616,79.781 4.394,79.781 6.172,79.781 7.95,79.781 15.062,79.781 16.84,79.781 18.618,79.781 20.396,79.781 22.174,79.781 23.952,79.781 34.62,79.781 48.844,79.781 50.622,79.781 52.4,79.781 54.178,79.781 70.18,79.781 71.958,79.781 73.736,79.781 75.514,79.781 84.404,79.781 86.182,79.781 89.738,79.781 91.516,79.781 2.616,81.559 4.394,81.559 6.172,81.559 7.95,81.559 16.84,81.559 18.618,81.559 20.396,81.559 22.174,81.559 23.952,81.559 34.62,81.559 50.622,81.559 52.4,81.559 54.178,81.559 55.956,81.559 71.958,81.559 73.736,81.559 75.514,81.559 79.07,81.559 87.96,81.559 89.738,81.559 91.516,81.559 4.394,83.337 6.172,83.337 7.95,83.337 18.618,83.337 20.396,83.337 22.174,83.337 23.952,83.337 25.73,83.337 31.064,83.337 34.62,83.337 36.398,83.337 39.954,83.337 52.4,83.337 54.178,83.337 55.956,83.337 73.736,83.337 75.514,83.337 79.07,83.337 82.626,83.337 84.404,83.337 86.182,83.337 87.96,83.337 91.516,83.337 6.172,85.115 7.95,85.115 11.506,85.115 22.174,85.115 23.952,85.115 25.73,85.115 31.064,85.115 48.844,85.115 54.178,85.115 55.956,85.115 57.734,85.115 59.512,85.115 73.736,85.115 75.514,85.115 79.07,85.115 82.626,85.115 84.404,85.115 86.182,85.115 6.172,86.893 7.95,86.893 25.73,86.893 31.064,86.893 34.62,86.893 36.398,86.893 38.176,86.893 50.622,86.893 55.956,86.893 57.734,86.893 59.512,86.893 61.29,86.893 75.514,86.893 82.626,86.893 84.404,86.893 86.182,86.893
  other v2: 20.701,12.167 20.498,14.326 17.043,14.961 20.472,15.799 17.45,16.891 25.171,25.095 26.365,25.425 37.211,27.559 35.281,27.686 28.499,33.807 20.93,35.357 15.164,49.53 80.315,51.613 78.689,54.661 78.689,57.607 84.811,70.942
  other v4: 28.473,27.915 28.499,29.337
KEY1: R186.2 TVS42.1 U10.93 | length 24.4
  Top Layer w0.254: v2(17.882,36.5) 18.263,36.5 20.299,38.536 30.687,38.536 31.267,39.116 31.267,43.612 31.989,44.334 U10.93@31.989,46.298
  Bottom Layer w0.254: TVS42.1@17.069,35.001 17.018,35.052 R186.2@17.018,36.525 17.856,36.525 v2(17.882,36.5)